# Altium PCB HIVE_BOARD_PCB ASCII REV Project_PCB_Rev.Project_SCH_Rev.PcbDoc (part 4 of 9) (continued)
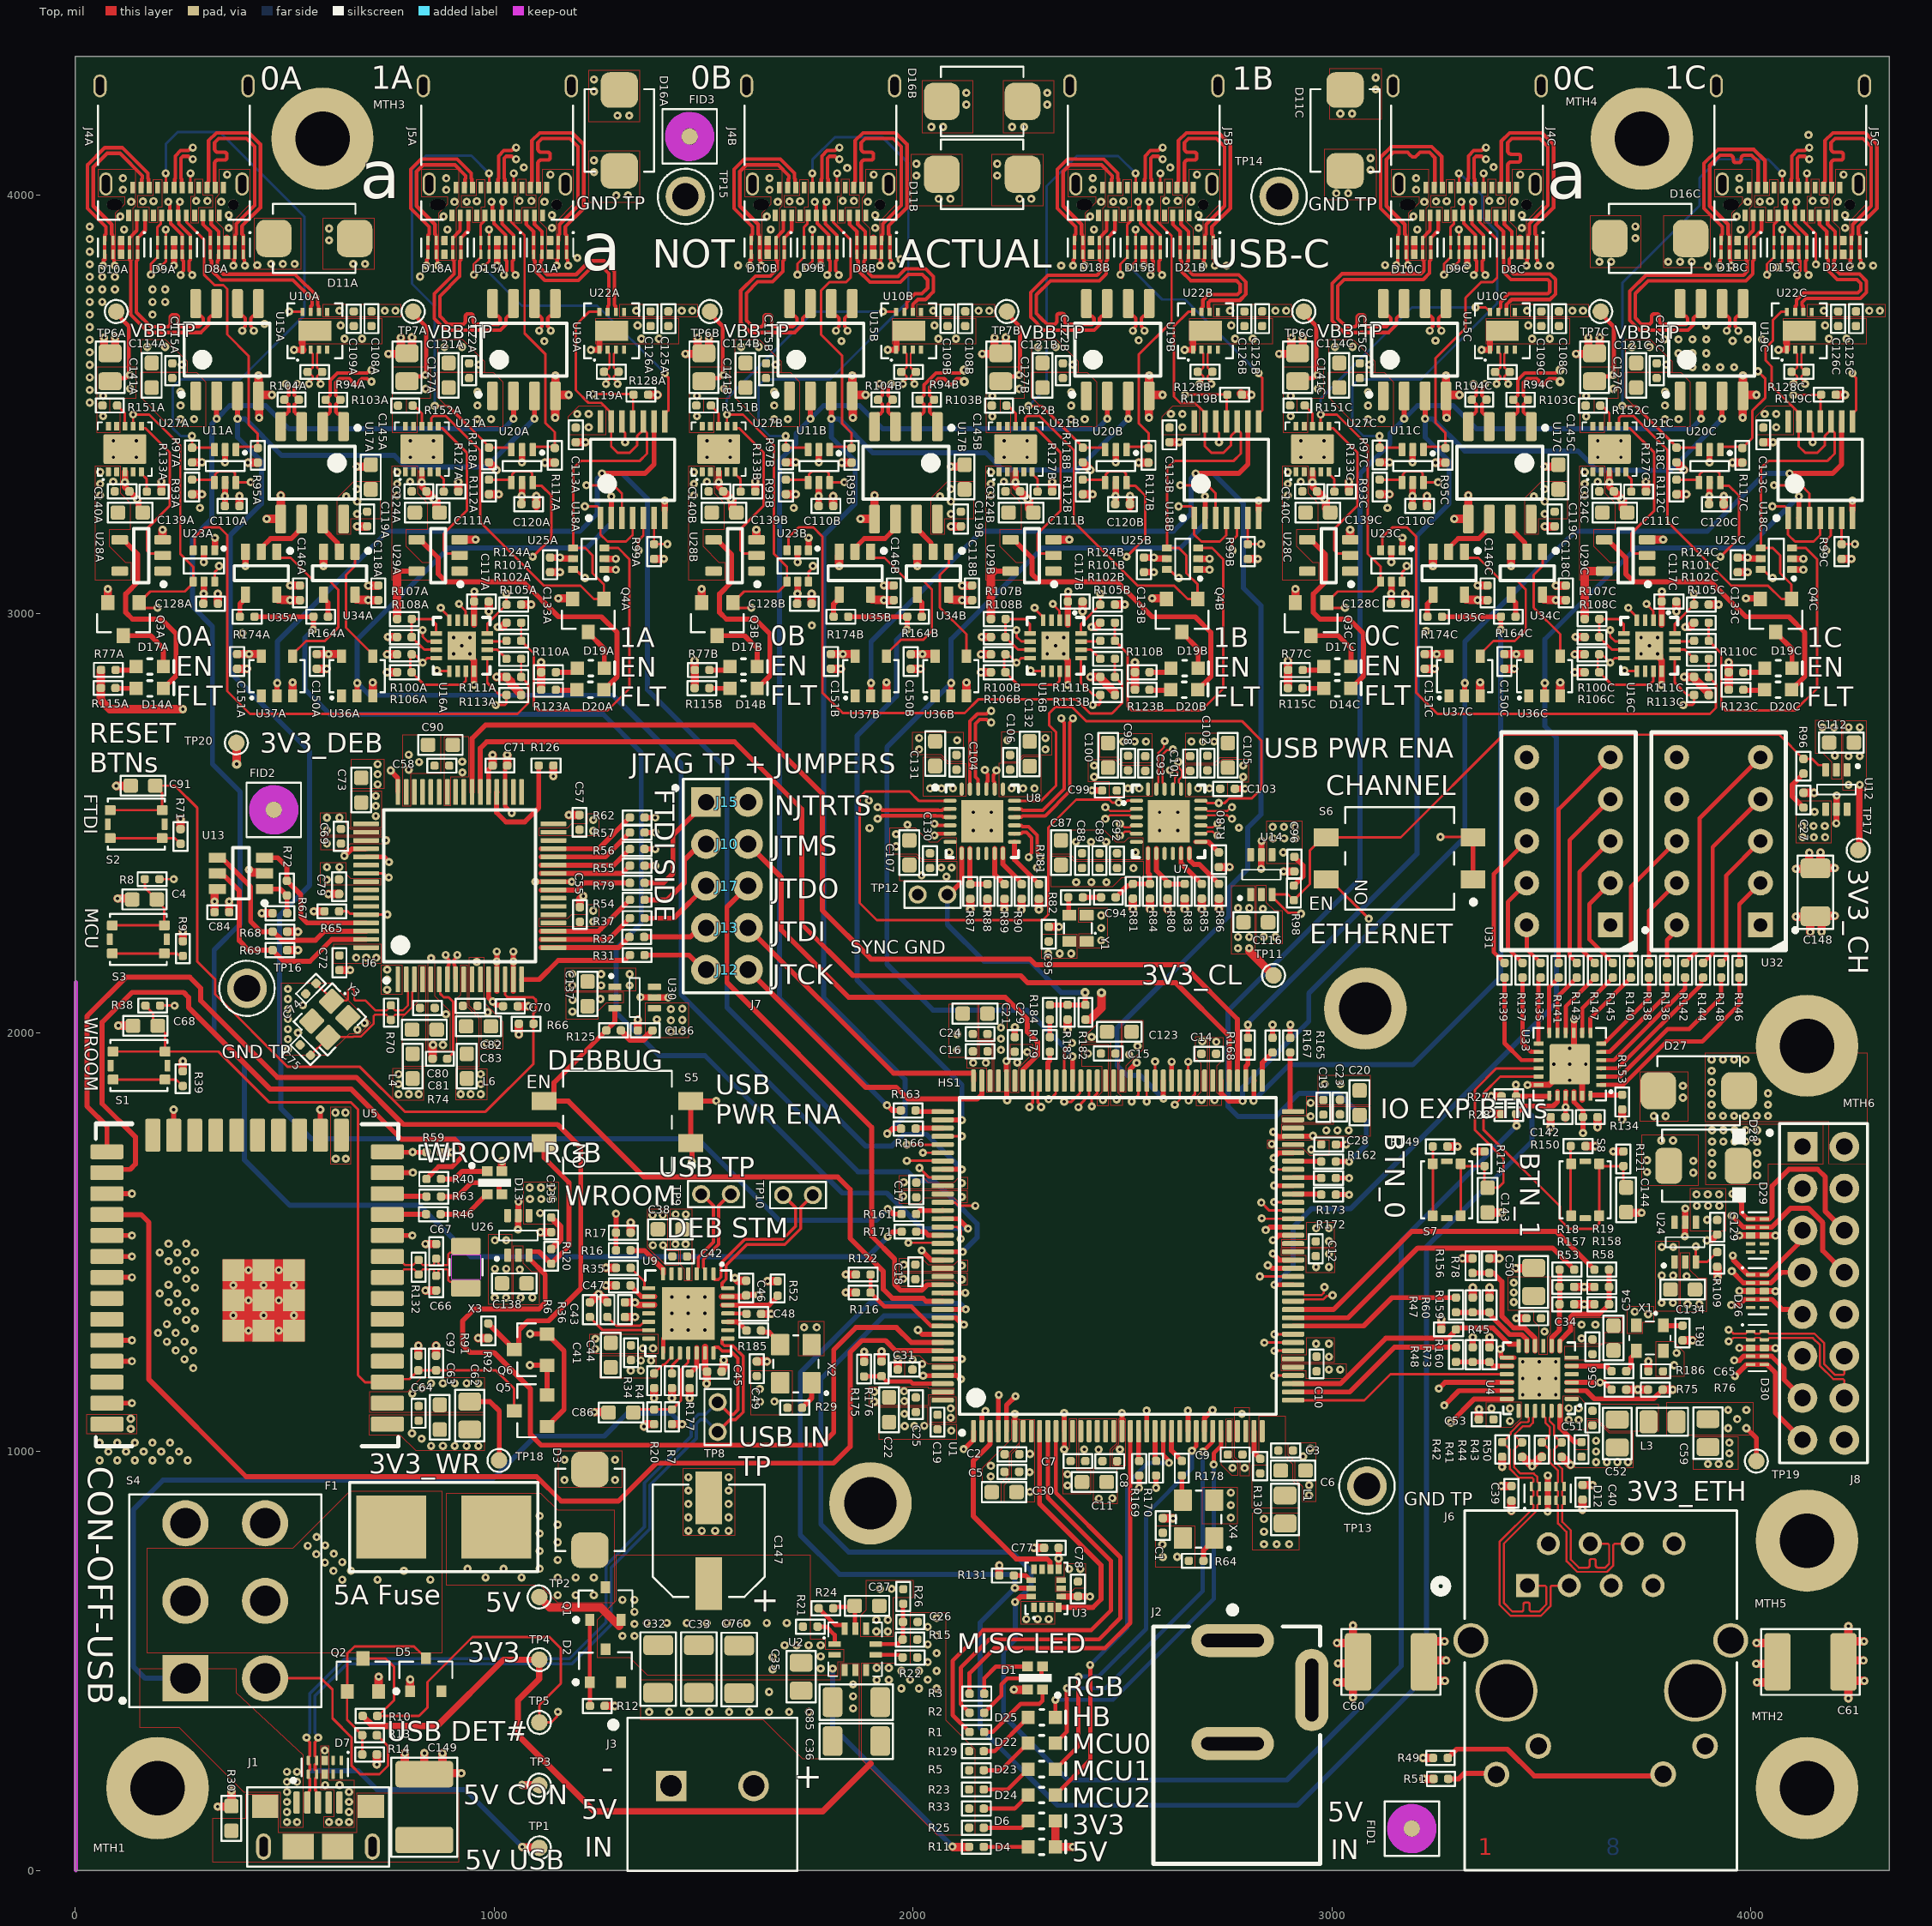
[diagram p0: Top view]
## Nets (pads, with @x,y where several pads share a name; then routed paths per layer and width w, separated by ;. In a path a pad name is that pad's centre, name@x,y a point inside that pad or via, vN(x,y) a via of type N, cw(c..) or ccw(c..) an arc to the next point about the centre after c; other vN are vias at no path point) (continued)
  Top w8.5: v1(222.39,3983) 222.39,3979.44 226.37,3975.46 J4A.A7@226.37,3950.38 227.97,3948.78 227.97,3931.27 255.58,3903.66 255.58,3890.77 D9A.2@255.89,3890.45 D9A.9@255.89,3857.58 256.21,3857.27 256.21,3844.55 258.99,3841.77 258.99,3828.11 258.99,3818.87 251.91,3811.79 v1(251.91,3808.23) ; J4A.B7@255.9,4017.31 254.24,4018.97 254.24,4037 252.8,4038.44 252.8,4077.77 252.62,4077.95 252.62,4086.91 257.6,4091.89 270.54,4091.89 277.61,4084.81 v1(281.17,4084.81) ; U17A.4@490.94,3446.52 490.94,3468.18 499.48,3476.72 504.21,3476.72 510.02,3482.53 510.02,3500.07 R104A.1@499.27,3510.8 510.02,3521.53 510.02,3538.05 502.94,3545.13 v1(502.94,3548.69)
  Signal_1 w5: v1(222.39,3983) 222.39,3984.69 230.96,3993.27 230.96,4024.46 238.5,4032 238.5,4198.32 249.72,4209.54 311.69,4209.54 321.5,4199.73 321.5,4113.42 301.47,4093.39 291.44,4093.39 282.87,4084.81 v1(281.17,4084.81) ; v1(251.91,3808.23) 251.91,3806.54 260.49,3797.96 260.49,3687.75 320.02,3628.22 449.33,3628.22 511.52,3566.03 511.52,3559.95 502.94,3551.37 v1(502.94,3548.69)
BB_SPI_MISO_0A_P: D9A.1 D9A.10 J4A.A6 J4A.B6 R104A.2 U17A.3 | length 1320.6
  Top w8.5: J4A.B6@236.21,4017.31 237.87,4018.97 237.87,4037 239.3,4038.44 239.3,4066.69 239.12,4066.88 239.12,4092.5 252,4105.39 270.54,4105.39 277.61,4112.47 v1(281.17,4112.47) ; v1(250.04,3983) 250.04,3979.44 246.05,3975.46 J4A.A6@246.05,3950.38 247.69,3948.74 247.69,3930.63 275.58,3902.75 D9A.1@275.58,3890.45 D9A.10@275.58,3857.58 275.27,3857.27 275.27,3844.55 272.49,3841.77 272.49,3833.71 272.49,3818.87 v1@279.56,3811.79 ; v1(530.6,3548.69) 530.6,3545.13 523.52,3538.05 523.52,3521.53 534.25,3510.8 523.52,3500.07 523.52,3481.7 528.5,3476.72 532.39,3476.72 540.94,3468.18 U17A.3@540.94,3446.52
  Signal_1 w5: v1(250.04,3983) 250.04,3984.69 241.46,3993.27 241.46,4020.11 249,4027.65 249,4193.97 254.07,4199.04 307.34,4199.04 311,4195.38 311,4173.82 311,4156.32 cw(c306,4156.32) 306,4151.32 294.15,4151.32 ccw(c294.15,4146.82) 289.65,4146.82 289.65,4140.82 ccw(c294.15,4140.82) 294.15,4136.32 306,4136.32 cw(c306,4131.32) 311,4131.32 311,4117.77 297.12,4103.89 291.44,4103.89 282.87,4112.47 v1(281.17,4112.47) ; v1(279.56,3808.23) 279.56,3806.54 270.99,3797.96 270.99,3692.1 324.37,3638.72 453.68,3638.72 522.02,3570.38 522.02,3558.96 530.6,3550.39 v1(530.6,3548.69)
BB_SPI_MISO_0B_N: D9B.2 D9B.9 J4B.A7 J4B.B7 R104B.1 U17B.4 | length 1227.6
  Top w8.5: v1(1765.7,3983.01) 1765.7,3979.46 1769.68,3975.47 J4B.A7@1769.68,3950.4 1771.28,3948.8 1771.28,3931.28 1798.89,3903.67 1798.89,3890.78 D9B.2@1799.21,3890.45 1799.2,3857.59 1799.52,3857.28 1799.52,3844.57 1802.3,3841.79 1802.3,3828.13 1802.3,3818.88 1795.22,3811.81 v1(1795.22,3808.25) ; J4B.B7@1799.21,4017.33 1797.55,4018.98 1797.55,4037.01 1796.12,4038.45 1796.12,4077.78 1795.93,4077.97 1795.93,4086.93 1800.91,4091.91 1813.85,4091.91 1820.92,4084.83 v1(1824.48,4084.83) ; U17B.4@1908.26,3446.52 1908.26,3468.18 1916.81,3476.72 1921.53,3476.72 1927.34,3482.53 1927.34,3500.07 R104B.1@1916.59,3510.8 1927.34,3521.53 1927.34,3538.05 1920.27,3545.13 v1(1920.27,3548.69)
  Signal_1 w5: v1(1765.7,3983.01) 1765.7,3984.71 1774.27,3993.29 1774.27,4024.48 1781.81,4032.01 1781.81,4178.47 1801.34,4198 1845,4198 1864.81,4178.19 1864.81,4113.44 1844.78,4093.41 1834.75,4093.41 1826.18,4084.83 v1(1824.48,4084.83) ; v1(1795.22,3808.25) 1795.22,3806.55 1803.8,3797.98 1803.8,3762.46 1765,3723.67 1765,3667.38 1812.2,3620.19 1874.69,3620.19 1928.84,3566.03 1928.84,3559.95 1920.27,3551.37 v1(1920.27,3548.69)
BB_SPI_MISO_0B_P: D9B.1 D9B.10 J4B.A6 J4B.B6 R104B.2 U17B.3 | length 1227.6
  Top w8.5: J4B.B6@1779.52,4017.33 1781.18,4018.98 1781.18,4037.01 1782.62,4038.45 1782.62,4066.71 1782.43,4066.89 1782.43,4092.52 1795.31,4105.41 1813.85,4105.41 1820.92,4112.48 v1(1824.48,4112.48) ; v1(1793.35,3983.01) 1793.35,3979.46 1789.37,3975.47 J4B.A6@1789.37,3950.4 1791,3948.76 1791,3930.65 1818.89,3902.76 D9B.1@1818.9,3890.45 1818.89,3857.59 1818.58,3857.28 1818.58,3844.57 1815.8,3841.79 1815.8,3833.72 1815.8,3818.88 v1@1822.87,3811.81 ; v1(1947.92,3548.69) 1947.92,3545.13 1940.84,3538.05 1940.84,3521.53 R104B.2@1951.59,3510.8 1940.84,3500.07 1940.84,3481.7 1945.82,3476.72 1949.72,3476.72 1958.26,3468.18 U17B.3@1958.26,3446.52
  Signal_1 w5: v1(1793.35,3983.01) 1793.35,3984.71 1784.77,3993.29 1784.77,4020.13 1792.31,4027.67 1792.31,4174.12 1805.69,4187.5 1840.65,4187.5 1854.31,4173.84 1854.31,4156.34 cw(c1849.31,4156.34) 1849.31,4151.34 1837.46,4151.34 ccw(c1837.46,4146.84) 1832.96,4146.84 1832.96,4140.84 ccw(c1837.46,4140.84) 1837.46,4136.34 1849.31,4136.34 cw(c1849.31,4131.34) 1854.31,4131.34 1854.31,4117.79 1840.43,4103.91 1834.75,4103.91 1826.18,4112.48 v1(1824.48,4112.48) ; v1(1822.87,3808.25) 1822.87,3806.55 1814.3,3797.98 1814.3,3758.11 1775.5,3719.32 1775.5,3671.73 1816.55,3630.69 1879.04,3630.69 1939.34,3570.38 1939.34,3559.95 1947.92,3551.37 v1(1947.92,3548.69)
BB_SPI_MISO_0C_N: D9C.2 D9C.9 J4C.A7 J4C.B7 R104C.1 U17C.4 | length 1358
  Top w8.5: v1(3309.01,3983) 3309.01,3979.45 3312.99,3975.46 J4C.A7@3312.99,3950.39 3314.59,3948.79 3314.59,3931.27 3342.2,3903.66 3342.2,3890.77 D9C.2@3342.52,3890.45 D9C.9@3342.52,3857.58 3342.83,3857.27 3342.83,3844.56 3345.61,3841.78 3345.61,3828.12 3345.61,3818.87 3338.53,3811.8 v1(3338.53,3808.24) ; U17C.4@3325.58,3446.52 3325.58,3468.18 3334.13,3476.72 3338.85,3476.72 3344.66,3482.53 3344.66,3500.07 R104C.1@3333.91,3510.8 3344.66,3521.53 3344.66,3538.05 3337.59,3545.13 v1(3337.59,3548.69) ; J4C.B7@3342.52,4017.32 3340.86,4018.97 3340.86,4037 3339.43,4038.44 3339.43,4077.77 3339.24,4077.96 3339.24,4086.92 3344.22,4091.9 3357.16,4091.9 3364.23,4084.82 v1(3367.79,4084.82)
  Signal_1 w5: v1(3309.01,3983) 3309.01,3984.7 3317.58,3993.28 3317.58,4024.47 3325.12,4032 3325.12,4198.33 3336.34,4209.55 3398.31,4209.55 3408.12,4199.73 3408.12,4113.43 3388.09,4093.4 3378.06,4093.4 3369.49,4084.82 v1(3367.79,4084.82) ; v1(3337.59,3548.69) 3337.59,3551.37 3346.16,3559.95 3346.16,3566.03 3297.01,3615.18 3224.31,3615.18 3193.75,3645.74 3193.75,3720.58 3233.32,3760.15 3314.97,3760.15 3347.11,3792.29 3347.11,3797.97 3338.53,3806.54 v1(3338.53,3808.24)
BB_SPI_MISO_0C_P: D9C.1 D9C.10 J4C.A6 J4C.B6 R104C.2 U17C.3 | length 1358
  Top w8.5: J4C.B6@3322.83,4017.32 3324.49,4018.97 3324.49,4037 3325.93,4038.44 3325.93,4066.7 3325.74,4066.88 3325.74,4092.51 3338.62,4105.4 3357.16,4105.4 3364.23,4112.47 v1(3367.79,4112.47) ; v1(3336.66,3983) 3336.66,3979.45 3332.68,3975.46 J4C.A6@3332.68,3950.39 3334.31,3948.75 3334.31,3930.64 3362.2,3902.75 D9C.10@3362.2,3857.58 3361.89,3857.27 3361.89,3844.56 3359.11,3841.78 3359.11,3833.71 3359.11,3818.87 v1@3366.18,3811.8 ; v1(3365.24,3548.69) 3365.24,3545.13 3358.16,3538.05 3358.16,3521.53 R104C.2@3368.91,3510.8 3358.16,3500.07 3358.16,3481.7 3363.14,3476.72 3367.04,3476.72 3375.58,3468.18 U17C.3@3375.58,3446.52
  Signal_1 w5: v1(3336.66,3983) 3336.66,3984.7 3328.08,3993.28 3328.08,4020.12 3335.62,4027.66 3335.62,4193.98 3340.69,4199.05 3393.96,4199.05 3397.62,4195.38 3397.62,4177.81 3397.62,4160.31 cw(c3392.62,4160.31) 3392.62,4155.31 3380.77,4155.31 ccw(c3380.77,4150.81) 3376.27,4150.81 3376.27,4144.81 ccw(c3380.77,4144.81) 3380.77,4140.31 3392.62,4140.31 cw(c3392.62,4135.31) 3397.62,4135.31 3397.62,4117.78 3383.74,4103.9 3378.06,4103.9 3369.49,4112.47 v1(3367.79,4112.47) ; v1(3365.24,3548.69) 3365.24,3551.37 3356.66,3559.95 3356.66,3570.38 3301.36,3625.68 3228.66,3625.68 3204.25,3650.09 3204.25,3716.23 3237.67,3749.65 3319.31,3749.65 3357.61,3787.94 3357.61,3797.97 3366.18,3806.54 v1(3366.18,3808.24)
BB_SPI_MISO_1A_N: D15A.2 D15A.9 J5A.A7 J5A.B7 R103A.2 U17A.1 | length 1611.1
  Top w8.5: R103A.2@633.27,3510.44 622.69,3499.86 622.69,3481.7 627.67,3476.72 632.39,3476.72 640.94,3468.18 U17A.1@640.94,3446.52 ; R103A.2@633.25,3510.59 622.52,3521.31 622.52,3551.66 631.91,3561.05 654.66,3561.05 660.21,3555.5 660.21,3552.87 665.76,3547.32 673.16,3547.32 678.71,3552.87 678.71,3555.5 684.26,3561.05 697.03,3561.05 704.11,3553.98 v1(707.67,3553.98) ; v1(994.04,3983) 996.37,3980.67 996.37,3952.04 J5A.A7@998.03,3950.38 J5A.A7@999.63,3948.78 ; J5A.A7@999.68,3948.73 J5A.A7@999.63,3948.78 ; v1(1023.57,3808.23) 1023.57,3811.79 1030.64,3818.87 1030.64,3828.11 1030.64,3841.77 1027.86,3844.55 1027.86,3857.27 D15A.9@1027.56,3857.58 ; 1027.55,3844.87 D15A.9@1027.56,3857.58 ; J5A.B7@1027.55,4017.31 1025.9,4018.97 1025.9,4037 1024.46,4038.44 1024.46,4077.77 1024.27,4077.95 1024.27,4086.91 1029.25,4091.89 1042.19,4091.89 1049.27,4084.81 v1(1052.83,4084.81) ; J5A.A7@999.63,3948.78 999.63,3931.27 1027.24,3903.66 1027.24,3890.77 D15A.2@1027.56,3890.45 D15A.9@1027.56,3857.58
  Signal_1 w5: v1(707.67,3553.98) 710.34,3553.98 718.92,3562.55 764.83,3562.55 834.66,3632.38 834.66,3701.08 802.16,3733.58 802.16,3833.42 829.47,3860.73 1009.32,3860.73 1032.14,3837.91 1032.14,3818.5 1023.57,3809.93 v1(1023.57,3808.23) ; v1(994.04,3983) 994.04,3984.69 1002.62,3993.27 1002.62,4024.46 1010.16,4032 1010.16,4172.72 1032.24,4194.8 1076.56,4194.8 1093.16,4178.2 1093.16,4113.42 1073.13,4093.39 1063.1,4093.39 1054.52,4084.81 v1(1052.83,4084.81)
BB_SPI_MISO_1A_P: D15A.1 D15A.10 J5A.A6 J5A.B6 R103A.1 U17A.2 | length 1611.1
  Top w8.5: U17A.2@590.94,3446.52 590.94,3468.18 599.48,3476.72 604.21,3476.72 609.19,3481.7 609.19,3499.69 R103A.1@598.27,3510.59 609.02,3521.31 609.02,3557.25 626.32,3574.55 697.03,3574.55 704.11,3581.63 v1(707.67,3581.63) ; J5A.B6@1007.87,4017.31 1009.52,4018.97 1009.52,4037 1010.96,4038.44 1010.96,4066.69 1010.77,4066.88 1010.77,4092.5 1023.66,4105.39 1042.19,4105.39 1049.27,4112.47 v1(1052.83,4112.47) ; v1(1021.69,3983) 1019.37,3980.67 1019.37,3952.04 J5A.A6@1017.71,3950.38 1019.35,3948.74 1019.35,3930.63 1047.23,3902.75 D15A.10@1047.24,3857.58 ; 1047.23,3844.58 D15A.10@1047.24,3857.58 ; v1@1051.22,3811.79 1044.14,3818.87 1044.14,3833.71 1044.14,3841.77 1046.92,3844.55 1046.92,3857.27 D15A.10@1047.24,3857.58
  Signal_1 w5: v1(707.67,3581.63) 710.34,3581.63 718.92,3573.05 760.48,3573.05 824.16,3636.73 824.16,3696.73 791.66,3729.23 791.66,3837.77 825.12,3871.23 1013.67,3871.23 1042.64,3842.26 1042.64,3818.5 1051.22,3809.93 v1(1051.22,3808.23) ; v1(1021.69,3983) 1021.69,3984.69 1013.12,3993.27 1013.12,4020.11 1020.66,4027.65 1020.66,4168.37 1036.59,4184.3 1072.21,4184.3 1082.66,4173.85 1082.66,4156.35 1078.16,4151.85 1078.1,4151.85 1073.6,4147.35 1073.6,4141.35 1078.1,4136.85 1078.16,4136.85 1082.66,4132.35 1082.66,4117.77 1068.78,4103.89 1063.1,4103.89 1054.52,4112.47 v1(1052.83,4112.47)
BB_SPI_MISO_1B_N: D15B.2 D15B.9 J5B.A7 J5B.B7 R103B.2 U17B.1 | length 1674.8
  Top w8.5: R103B.2@2050.59,3510.44 2040.01,3499.86 2040.01,3481.7 2044.99,3476.72 2049.72,3476.72 2058.26,3468.18 U17B.1@2058.26,3446.52 ; R103B.2@2050.59,3510.59 2039.84,3521.31 2039.84,3540.62 2052.17,3552.95 2060.28,3561.05 2074.92,3561.05 2080.47,3555.5 2080.47,3552.87 2086.02,3547.32 2093.42,3547.32 2098.97,3552.87 2098.97,3555.5 2104.52,3561.05 2111.97,3561.05 2119.04,3553.98 v3(2122.6,3553.98) ; v1(2537.35,3983.01) 2539.68,3980.69 2539.68,3952.05 J5B.A7@2541.34,3950.4 J5B.A7@2542.94,3948.8 ; J5B.A7@2542.99,3948.74 J5B.A7@2542.94,3948.8 ; v1(2566.88,3808.25) 2566.88,3811.81 2573.95,3818.88 2573.95,3828.13 2573.95,3841.79 2571.17,3844.57 2571.17,3857.28 D15B.9@2570.86,3857.59 ; 2570.86,3844.88 D15B.9@2570.86,3857.59 ; J5B.B7@2570.86,4017.33 2569.21,4018.98 2569.21,4037.01 2567.77,4038.45 2567.77,4077.78 2567.58,4077.97 2567.58,4086.93 2572.56,4091.91 2585.5,4091.91 2592.58,4084.83 v1(2596.14,4084.83) ; J5B.A7@2542.94,3948.8 2542.94,3931.28 2570.55,3903.67 2570.55,3890.78 D15B.2@2570.87,3890.45 D15B.9@2570.86,3857.59
  Signal_1 w5: v3(2122.6,3553.98) 2125.28,3553.98 2133.86,3562.55 2144.29,3562.55 2194.01,3562.55 2258.53,3627.07 2258.53,3766.1 2380.24,3887.81 2532.44,3887.81 2575.45,3844.8 2575.45,3818.52 2566.88,3809.94 v1(2566.88,3808.25) ; v1(2537.35,3983.01) 2537.35,3984.71 2545.93,3993.29 2545.93,4024.48 2553.47,4032.01 2553.47,4172.73 2575.55,4194.81 2619.87,4194.81 2636.47,4178.22 2636.47,4113.44 2616.44,4093.41 2606.41,4093.41 2597.83,4084.83 v1(2596.14,4084.83)
BB_SPI_MISO_1B_P: D15B.1 D15B.10 J5B.A6 J5B.B6 R103B.1 U17B.2 | length 1674.8
  Top w8.5: U17B.2@2008.26,3446.52 2008.26,3468.18 2016.81,3476.72 2021.53,3476.72 2026.51,3481.7 2026.51,3499.69 R103B.1@2015.59,3510.59 2026.34,3521.31 2026.34,3546.21 2054.68,3574.55 2111.97,3574.55 2119.04,3581.63 v3(2122.6,3581.63) ; J5B.B6@2551.18,4017.33 2552.83,4018.98 2552.83,4037.01 2554.27,4038.45 2554.27,4066.71 2554.08,4066.89 2554.08,4092.52 2566.97,4105.41 2585.5,4105.41 2592.58,4112.48 v1(2596.14,4112.48) ; v1(2565,3983.01) 2562.68,3980.69 2562.68,3952.05 J5B.A6@2561.02,3950.4 2562.66,3948.76 2562.66,3930.65 2590.54,3902.76 D15B.10@2590.54,3857.59 ; 2590.54,3844.59 D15B.10@2590.54,3857.59 ; v1@2594.53,3811.81 2587.45,3818.88 2587.45,3833.72 2587.45,3841.79 2590.23,3844.57 2590.23,3857.28 D15B.10@2590.54,3857.59
  Signal_1 w5: v3(2122.6,3581.63) 2125.28,3581.63 2133.86,3573.05 2189.66,3573.05 2248.03,3631.42 2248.03,3770.45 2375.89,3898.31 2536.79,3898.31 2585.95,3849.15 2585.95,3818.52 2594.53,3809.94 v1(2594.53,3808.25) ; v1(2565,3983.01) 2565,3984.71 2556.43,3993.29 2556.43,4020.13 2563.97,4027.67 2563.97,4168.38 2579.9,4184.31 2615.52,4184.31 2625.97,4173.87 2625.97,4156.37 2621.47,4151.87 2621.41,4151.87 2616.91,4147.37 2616.91,4141.37 2621.41,4136.87 2621.47,4136.87 2625.97,4132.37 2625.97,4117.79 2612.09,4103.91 2606.41,4103.91 2597.83,4112.48 v1(2596.14,4112.48)
BB_SPI_MISO_1C_N: D15C.2 D15C.9 J5C.A7 J5C.B7 R103C.2 U17C.1 | length 1809
  Top w8.5: R103C.2@3467.91,3510.44 3457.33,3499.86 3457.33,3481.7 3462.31,3476.72 3467.04,3476.72 3475.58,3468.18 U17C.1@3475.58,3446.52 ; R103C.2@3467.91,3510.59 3457.16,3521.31 3457.16,3552.13 3466.09,3561.05 3488.84,3561.05 3494.39,3555.5 3494.39,3552.87 3499.94,3547.32 3507.34,3547.32 3512.89,3552.87 3512.89,3555.5 3518.44,3561.05 3522.88,3561.05 3534.27,3561.05 3541.35,3553.98 v3(3544.91,3553.98) ; v1(4080.66,3983) 4082.99,3980.68 4082.99,3952.04 J5C.A7@4084.65,3950.39 J5C.A7@4086.25,3948.79 ; J5C.A7@4086.3,3948.73 J5C.A7@4086.25,3948.79 ; v1(4110.19,3808.24) 4110.19,3811.8 4117.26,3818.87 4117.26,3828.12 4117.26,3841.78 4114.48,3844.56 4114.48,3857.27 D15C.9@4114.17,3857.58 ; 4114.17,3844.87 D15C.9@4114.17,3857.58 ; J5C.B7@4114.17,4017.32 4112.52,4018.97 4112.52,4037 4111.08,4038.44 4111.08,4077.77 4110.89,4077.96 4110.89,4086.92 4115.87,4091.9 4128.81,4091.9 4135.89,4084.82 v1(4139.45,4084.82) ; J5C.A7@4086.25,3948.79 4086.25,3931.27 4113.86,3903.66 4113.86,3890.77 D15C.2@4114.17,3890.45 D15C.9@4114.17,3857.58
  Signal_1 w5: v3(3544.91,3553.98) 3547.59,3553.98 3556.16,3562.55 3604.14,3562.55 3682.31,3640.72 3682.31,3789.34 3768.76,3875.79 4097.79,3875.79 4118.76,3854.82 4118.76,3818.51 4110.19,3809.93 v1(4110.19,3808.24) ; v1(4080.66,3983) 4080.66,3984.7 4089.24,3993.28 4089.24,4024.47 4096.78,4032 4096.78,4172.72 4118.86,4194.8 4163.18,4194.8 4179.78,4178.21 4179.78,4113.43 4159.75,4093.4 4149.72,4093.4 4141.14,4084.82 v1(4139.45,4084.82)
BB_SPI_MISO_1C_P: D15C.1 D15C.10 J5C.A6 J5C.B6 R103C.1 U17C.2 | length 1809
  Top w8.5: U17C.2@3425.58,3446.52 3425.58,3468.18 3434.13,3476.72 3438.85,3476.72 3443.83,3481.7 3443.83,3499.69 R103C.1@3432.91,3510.59 3443.66,3521.31 3443.66,3557.72 3460.5,3574.55 3534.27,3574.55 3541.35,3581.63 v3(3544.91,3581.63) ; J5C.B6@4094.49,4017.32 4096.14,4018.97 4096.14,4037 4097.58,4038.44 4097.58,4066.7 4097.39,4066.88 4097.39,4092.51 4110.28,4105.4 4128.81,4105.4 4135.89,4112.47 v1(4139.45,4112.47) ; v1(4108.31,3983) 4105.99,3980.68 4105.99,3952.04 J5C.A6@4104.33,3950.39 4105.97,3948.75 4105.97,3930.64 4133.85,3902.75 D15C.10@4133.86,3857.58 ; 4133.85,3844.58 D15C.10@4133.86,3857.58 ; v1@4137.84,3811.8 4130.76,3818.87 4130.76,3833.71 4130.76,3841.78 4133.54,3844.56 4133.54,3857.27 D15C.10@4133.86,3857.58
  Signal_1 w5: v3(3544.91,3581.63) 3547.59,3581.63 3556.16,3573.05 3599.79,3573.05 3671.81,3645.07 3671.81,3793.69 3764.41,3886.29 4102.14,3886.29 4129.26,3859.17 4129.26,3818.51 4137.84,3809.93 v1(4137.84,3808.24) ; v1(4108.31,3983) 4108.31,3984.7 4099.74,3993.28 4099.74,4020.12 4107.28,4027.66 4107.28,4168.37 4123.21,4184.3 4158.83,4184.3 4169.28,4173.86 4169.28,4156.36 4164.78,4151.86 4164.72,4151.86 4160.22,4147.36 4160.22,4141.36 4164.72,4136.86 4164.78,4136.86 4169.28,4132.36 4169.28,4117.78 4155.4,4103.9 4149.72,4103.9 4141.14,4112.47 v1(4139.45,4112.47)
BB_SPI_MOSI_0A_N: D10A.1 D10A.10 J4A.A10 U15A.8 | length 517.8
  Top w8.5: J4A.A10@167.31,3950.38 167.31,3914.72 149.61,3897.01 D10A.1@149.61,3890.45 D10A.10@149.61,3857.58 149.29,3857.27 149.29,3844.55 146.51,3841.77 146.51,3719.34 181.1,3684.75 188.97,3684.75 219.23,3684.75 ccw(c219.23,3693.25) 227.73,3693.25 227.73,3707.6 cw(c233.28,3707.6) 233.28,3713.15 240.68,3713.15 cw(c240.68,3707.6) 246.23,3707.6 246.23,3693.25 ccw(c254.73,3693.25) 254.73,3684.75 277.48,3684.75 295.35,3684.75 306.07,3695.48 306.07,3705.07 301.09,3710.05 296.37,3710.05 287.82,3718.6 U15A.8@287.82,3740.25
BB_SPI_MOSI_0A_P: D10A.2 D10A.9 J4A.A11 U15A.7 | length 517.8
  Top w8.5: J4A.A11@147.63,3950.38 147.63,3914.72 129.92,3897.01 D10A.2@129.92,3890.45 D10A.9@129.92,3857.58 130.23,3857.27 130.23,3844.55 133.01,3841.77 133.01,3713.74 175.51,3671.25 300.94,3671.25 319.57,3689.88 319.57,3705.07 324.55,3710.05 329.28,3710.05 337.82,3718.6 U15A.7@337.82,3740.25
BB_SPI_MOSI_0B_N: D10B.1 D10B.10 J4B.A10 U15B.8 | length 547.6
  Top w8.5: U15B.8@1705.15,3740.25 1705.15,3718.6 1713.69,3710.05 1718.42,3710.05 1723.4,3705.07 1723.4,3695.48 1712.67,3684.75 1694.02,3684.75 1671.27,3684.75 cw(c1671.27,3693.25) 1662.77,3693.25 1662.77,3707.6 ccw(c1657.22,3707.6) 1657.22,3713.15 1649.82,3713.15 ccw(c1649.82,3707.6) 1644.27,3707.6 1644.27,3693.25 cw(c1635.77,3693.25) 1635.77,3684.75 1617.61,3684.75 1602.39,3699.97 1602.39,3765.03 1629.51,3792.15 1664.93,3792.15 1689.82,3817.04 1689.82,3841.79 1692.6,3844.57 1692.6,3857.28 1692.92,3857.59 1692.92,3897.03 1710.63,3914.74 J4B.A10@1710.63,3950.4
BB_SPI_MOSI_0B_P: D10B.2 D10B.9 J4B.A11 U15B.7 | length 547.6
  Top w8.5: J4B.A11@1690.94,3950.4 1690.94,3914.74 1673.23,3897.03 1673.23,3857.59 1673.54,3857.28 1673.54,3844.57 1676.32,3841.79 1676.32,3822.64 1659.34,3805.65 1623.92,3805.65 1588.89,3770.62 1588.89,3694.38 1612.02,3671.25 1718.26,3671.25 1736.9,3689.88 1736.9,3705.07 1741.88,3710.05 1746.6,3710.05 1755.15,3718.6 U15B.7@1755.15,3740.25
BB_SPI_MOSI_0C_N: D10C.1 D10C.10 J4C.A10 U15C.8 | length 694.5
  Top w8.5: U15C.8@3122.47,3740.25 3122.47,3718.6 3131.01,3710.05 3135.74,3710.05 3140.72,3705.07 3140.72,3695.48 3130,3684.75 3110.33,3684.75 3087.58,3684.75 cw(c3087.58,3693.25) 3079.08,3693.25 3079.08,3707.6 ccw(c3073.53,3707.6) 3073.53,3713.15 3066.13,3713.15 ccw(c3066.13,3707.6) 3060.58,3707.6 3060.58,3693.25 cw(c3052.08,3693.25) 3052.08,3684.75 3034.04,3684.75 3014.24,3704.55 3014.24,3782.49 3029.63,3797.88 3218.12,3797.88 3233.13,3812.9 3233.13,3841.78 3235.91,3844.56 3235.91,3857.27 D10C.10@3236.22,3857.58 3236.23,3897.02 3253.94,3914.73 J4C.A10@3253.94,3950.39
BB_SPI_MOSI_0C_P: D10C.2 D10C.9 J4C.A11 U15C.7 | length 694.5
  Top w8.5: U15C.7@3172.47,3740.25 3172.47,3718.6 3163.92,3710.05 3159.2,3710.05 3154.22,3705.07 3154.22,3689.88 3135.59,3671.25 3028.45,3671.25 3000.74,3698.96 3000.74,3788.08 3024.04,3811.38 3212.52,3811.38 3219.63,3818.49 3219.63,3841.78 3216.85,3844.56 3216.85,3857.27 D10C.9@3216.54,3857.58 3216.54,3897.02 3234.25,3914.73 J4C.A11@3234.25,3950.39
BB_SPI_MOSI_1A_N: D18A.1 D18A.10 J5A.A10 U19A.8 | length 509.4
  Top w8.5: D18A.1@920.95,3890.77 D18A.1@921.26,3890.45 D18A.10@921.26,3857.58 920.95,3857.27 920.95,3844.55 918.17,3841.77 918.17,3805.32 870.72,3757.88 870.72,3710.2 890.43,3690.5 897.68,3690.5 923.31,3690.5 ccw(c923.31,3699) 931.81,3699 931.81,3709.84 cw(c937.36,3709.84) 937.36,3715.39 944.76,3715.39 cw(c944.76,3709.84) 950.31,3709.84 950.31,3699 ccw(c958.81,3699) 958.81,3690.5 981.56,3690.5 1009.76,3690.5 1014.74,3695.48 1014.74,3705.07 1009.76,3710.05 1005.03,3710.05 996.49,3718.6 U19A.8@996.49,3740.25 ; D18A.1@921.26,3897.01 938.97,3914.72 J5A.A10@938.97,3950.38
BB_SPI_MOSI_1A_P: D18A.2 D18A.9 J5A.A11 U19A.7 | length 509.4
  Top w8.5: D18A.9@901.57,3857.58 D18A.2@901.57,3890.45 D18A.2@901.89,3890.77 ; D18A.2@901.58,3897.01 919.28,3914.72 J5A.A11@919.28,3950.38 ; D18A.9@901.89,3850.71 901.89,3844.55 904.67,3841.77 904.67,3810.92 857.22,3763.47 857.22,3704.61 884.84,3677 1015.35,3677 1028.24,3689.88 1028.24,3705.07 1033.21,3710.05 1037.94,3710.05 1046.49,3718.6 U19A.7@1046.49,3740.25
BB_SPI_MOSI_1B_N: D18B.1 D18B.10 J5B.A10 U19B.8 | length 618.8
  Top w8.5: U19B.8@2413.81,3740.25 2413.81,3718.6 2422.35,3710.05 2427.08,3710.05 2432.06,3705.07 2432.06,3695.48 2427.08,3690.5 2393.19,3690.5 2370.44,3690.5 cw(c2370.44,3699) 2361.94,3699 2361.94,3710.69 ccw(c2356.39,3710.69) 2356.39,3716.24 2348.99,3716.24 ccw(c2348.99,3710.69) 2343.44,3710.69 2343.44,3699 cw(c2334.94,3699) 2334.94,3690.5 2320.66,3690.5 2305.29,3705.87 2294.55,3716.61 2294.55,3761.2 2327.97,3794.62 2444.82,3794.62 2461.48,3811.28 2461.48,3841.79 2464.26,3844.57 2464.26,3857.28 2464.57,3857.59 2464.57,3890.47 D18B.1@2464.26,3890.78 ; D18B.1@2464.57,3897.03 2482.28,3914.74 J5B.A10@2482.28,3950.4
BB_SPI_MOSI_1B_P: D18B.2 D18B.9 J5B.A11 U19B.7 | length 618.8
  Top w8.5: D18B.9@2444.88,3857.59 D18B.2@2444.88,3890.45 D18B.2@2445.2,3890.78 ; D18B.2@2444.89,3897.03 2462.6,3914.74 J5B.A11@2462.6,3950.4 ; D18B.9@2445.2,3850.72 2445.2,3844.57 2447.98,3841.79 2447.98,3816.87 2439.23,3808.12 2322.38,3808.12 2281.05,3766.79 2281.05,3708.11 2312.16,3677 2432.67,3677 2445.56,3689.88 2445.56,3705.07 2450.54,3710.05 2455.26,3710.05 2463.81,3718.6 U19B.7@2463.81,3740.25
BB_SPI_MOSI_1C_N: D18C.1 D18C.10 J5C.A10 U19C.8 | length 726
  Top w8.5: U19C.8@3831.13,3740.25 3831.13,3718.6 3839.68,3710.05 3844.4,3710.05 3849.38,3705.07 3849.38,3695.48 3844.4,3690.5 3813.08,3690.5 3790.33,3690.5 cw(c3790.33,3699) 3781.83,3699 3781.83,3709.84 ccw(c3776.28,3709.84) 3776.28,3715.39 3768.88,3715.39 ccw(c3768.88,3709.84) 3763.33,3709.84 3763.33,3699 cw(c3754.83,3699) 3754.83,3690.5 3739.87,3690.5 3724.45,3705.91 3724.45,3764.23 3754.84,3794.61 3988.13,3794.61 4004.79,3811.27 4004.79,3841.78 4007.57,3844.56 4007.57,3857.27 D18C.10@4007.87,3857.58 D18C.1@4007.87,3890.45 D18C.1@4007.57,3890.77 ; D18C.1@4007.88,3897.02 4025.59,3914.73 J5C.A10@4025.59,3950.39
BB_SPI_MOSI_1C_P: D18C.2 D18C.9 J5C.A11 U19C.7 | length 726
  Top w8.5: U19C.7@3881.13,3740.25 3881.13,3718.6 3872.59,3710.05 3867.86,3710.05 3862.88,3705.07 3862.88,3689.88 3849.99,3677 3734.28,3677 3710.95,3700.32 3710.95,3769.82 3749.25,3808.11 3982.54,3808.11 3991.29,3816.86 3991.29,3841.78 3988.51,3844.56 D18C.9@3988.51,3850.71 ; D18C.9@3988.19,3857.58 D18C.2@3988.19,3890.45 D18C.2@3988.51,3890.77 ; D18C.2@3988.2,3897.02 4005.91,3914.73 J5C.A11@4005.91,3950.39
BB_SPI_nCS_0A: D9A.4 D9A.7 J4A.B8 U18A.3 | length 2278.7
  Top w6: v1(203,3827) 216.52,3840.52 D9A.7@216.52,3857.58 D9A.4@216.52,3890.45 v1(216.52,3917.13) ; J4A.B8@275.58,4017.31 v1(275.58,4051.07) ; v1(1220.66,3306.61) 1285.39,3306.61 1305.31,3286.69 U18A.3@1305.31,3228.34
  Signal_1 w6: v1(203,3827) 168.7,3827 140.12,3798.41 140.12,3611.88 226.57,3525.43 226.57,3324.17 v1(298.04,3252.7) ; v1(216.52,3917.13) 252.16,3917.13 271,3935.96 271,4042.79 275.58,4047.37 v1(275.58,4051.07)
  Signal_2 w6: v1(298.04,3252.7) 261.58,3289.17 261.58,3359.25 298.15,3395.82 717.14,3395.82 756.6,3356.37 914.73,3356.37 964.5,3306.61 v1(1220.66,3306.61)
BB_SPI_nCS_0B: D9B.4 D9B.7 J4B.B8 U18B.3 | length 2298.7
  Top w6: v1(1746.31,3827.01) 1759.83,3840.54 v1(1759.83,3917.14) ; J4B.B8@1818.89,4017.33 v1(1818.89,4051.08) ; v1(2637.99,3306.61) 2702.71,3306.61 2722.63,3286.69 U18B.3@2722.63,3228.34
  Signal_1 w6: v1(1715.36,3252.7) 1715.36,3255.64 1612.94,3358.06 1612.94,3751.46 1688.49,3827.01 v1(1746.31,3827.01) ; v1(1759.83,3917.14) 1795.47,3917.14 1814.31,3935.98 1814.31,4042.8 1818.89,4047.38 v1(1818.89,4051.08)
  Signal_2 w6: v1(1715.36,3252.7) 1678.9,3289.17 1678.9,3359.25 1715.47,3395.82 2134.47,3395.82 2174.62,3355.67 2332.76,3355.67 2381.82,3306.61 v1(2637.99,3306.61)
BB_SPI_nCS_0C: D9C.4 D9C.7 J4C.B8 U18C.3 | length 2334.4
  Top w6: v1(3289.62,3827) 3303.14,3840.53 v1(3303.14,3917.13) ; J4C.B8@3362.2,4017.32 v1(3362.2,4051.07) ; v1(4055.31,3306.61) 4120.04,3306.61 4139.95,3286.69 U18C.3@4139.95,3228.34
  Signal_1 w6: v1(3132.69,3252.7) 3067.83,3317.56 3067.83,3688.08 3206.75,3827 v1(3289.62,3827) ; v1(3303.14,3917.13) 3338.78,3917.13 3357.62,3935.97 3357.62,4042.79 3362.2,4047.37 v1(3362.2,4051.07)
  Signal_2 w6: v1(3132.69,3252.7) 3096.22,3289.17 3096.22,3359.25 3132.8,3395.82 3551.79,3395.82 3591.99,3355.62 3750.13,3355.62 3799.14,3306.61 v1(4055.31,3306.61)
BB_SPI_nCS_1A: D15A.4 D15A.7 J5A.B8 U18A.8 | length 961.7
  Top w6: v1(974.66,3827) 988.19,3840.52 D15A.7@988.19,3857.58 v1(988.18,3917.13) ; J5A.B8@1047.24,4017.31 v1(1047.23,4051.07) ; U18A.8@1407.67,3458.65 1407.67,3478.34 1411.56,3482.23 1413.21,3482.23 1416.72,3485.74 1416.72,3562.66 1408,3571.38 v1(1408,3574)
  Signal_1 w6: v1(988.18,3917.13) 1008.73,3917.13 1041,3949.4 1041,4013.88 1047.23,4020.11 v1(1047.23,4051.07)
  Bottom w6: v1(974.66,3827) 1066.3,3735.36 1246.64,3735.36 v1(1408,3574)
BB_SPI_nCS_1B: D15B.4 D15B.7 J5B.B8 U18B.8 | length 835.8
  Top w6: v1(2517.97,3827.01) 2531.5,3840.54 D15B.7@2531.5,3857.59 ; D15B.7@2531.49,3857.59 v1(2531.49,3917.14) ; J5B.B8@2590.55,4017.33 v1(2590.54,4051.08) ; U18B.8@2824.99,3458.65 2824.99,3478.34 2828.88,3482.23 2830.53,3482.23 2834.05,3485.74 2834.05,3562.66 2825.32,3571.38 v1(2825.32,3574)
  Signal_1 w6: v1(2531.49,3917.14) 2552.04,3917.14 2584.31,3949.41 2584.31,4013.89 2590.54,4020.13 v1(2590.54,4051.08)
  Bottom w6: v1(2517.97,3827.01) 2595,3749.99 2649.33,3749.99 v1(2825.32,3574)
BB_SPI_nCS_1C: D15C.4 D15C.7 J5C.B8 U18C.8 | length 751.7
  Top w6: v1(4061.29,3827) 4074.81,3840.53 D15C.7@4074.8,3857.58 v1(4074.8,3917.13) ; J5C.B8@4133.86,4017.32 v1(4133.85,4051.07) ; U18C.8@4242.32,3458.65 4242.32,3478.34 4246.21,3482.23 4247.85,3482.23 4251.37,3485.74 4251.37,3562.66 4242.65,3571.38 v1(4242.65,3574)
  Signal_1 w6: v1(4074.8,3917.13) 4095.35,3917.13 4127.62,3949.4 4127.62,4013.88 4133.85,4020.12 v1(4133.85,4051.07)
  Signal_2 w6: v1(4061.29,3827) 4061.29,3755.36 v1(4242.65,3574)
BB_VIN_0A: C141A.2 D11A.1 J4A.A4 J4A.A9 J4A.B4 J4A.B9 R151A.1 TP6A.1 U27A.9 U27A.10 | length 216.8
  Top w10: C141A.2@83.65,3554.52 91.22,3562.09 120.3,3562.09 128.47,3570.26 128.47,3686.06 TP6A.1@93.34,3721.19
  other v1: 67.04,3471.44 67,3520 131.55,3536.91 131,3570 467.87,3835 496,3835 524.13,3835 162,3984 187.26,3984.5 289,3985 316,3985
BB_VIN_0B: C141B.2 D11B.1 J4B.A4 J4B.A9 J4B.B4 J4B.B9 R151B.1 TP6B.1 U27B.9 U27B.10 | length 216.8
  Top w10: C141B.2@1500.98,3554.52 1508.54,3562.09 1537.62,3562.09 1545.79,3570.26 1545.79,3686.06 TP6B.1@1510.66,3721.19
  other v1: 1484.36,3471.44 1484.32,3520 1548.88,3536.91 1548.32,3570 1705.31,3984.01 1730.57,3984.51 1832.31,3985.01 1859.31,3985.01 2061.42,3990.15 2089.55,3990.15 2008.12,4045.66 2008.12,4073.79